# KiCad board FreeDSP_INTEGRA_QUAD_BASIC.kicad_pcb (continued)
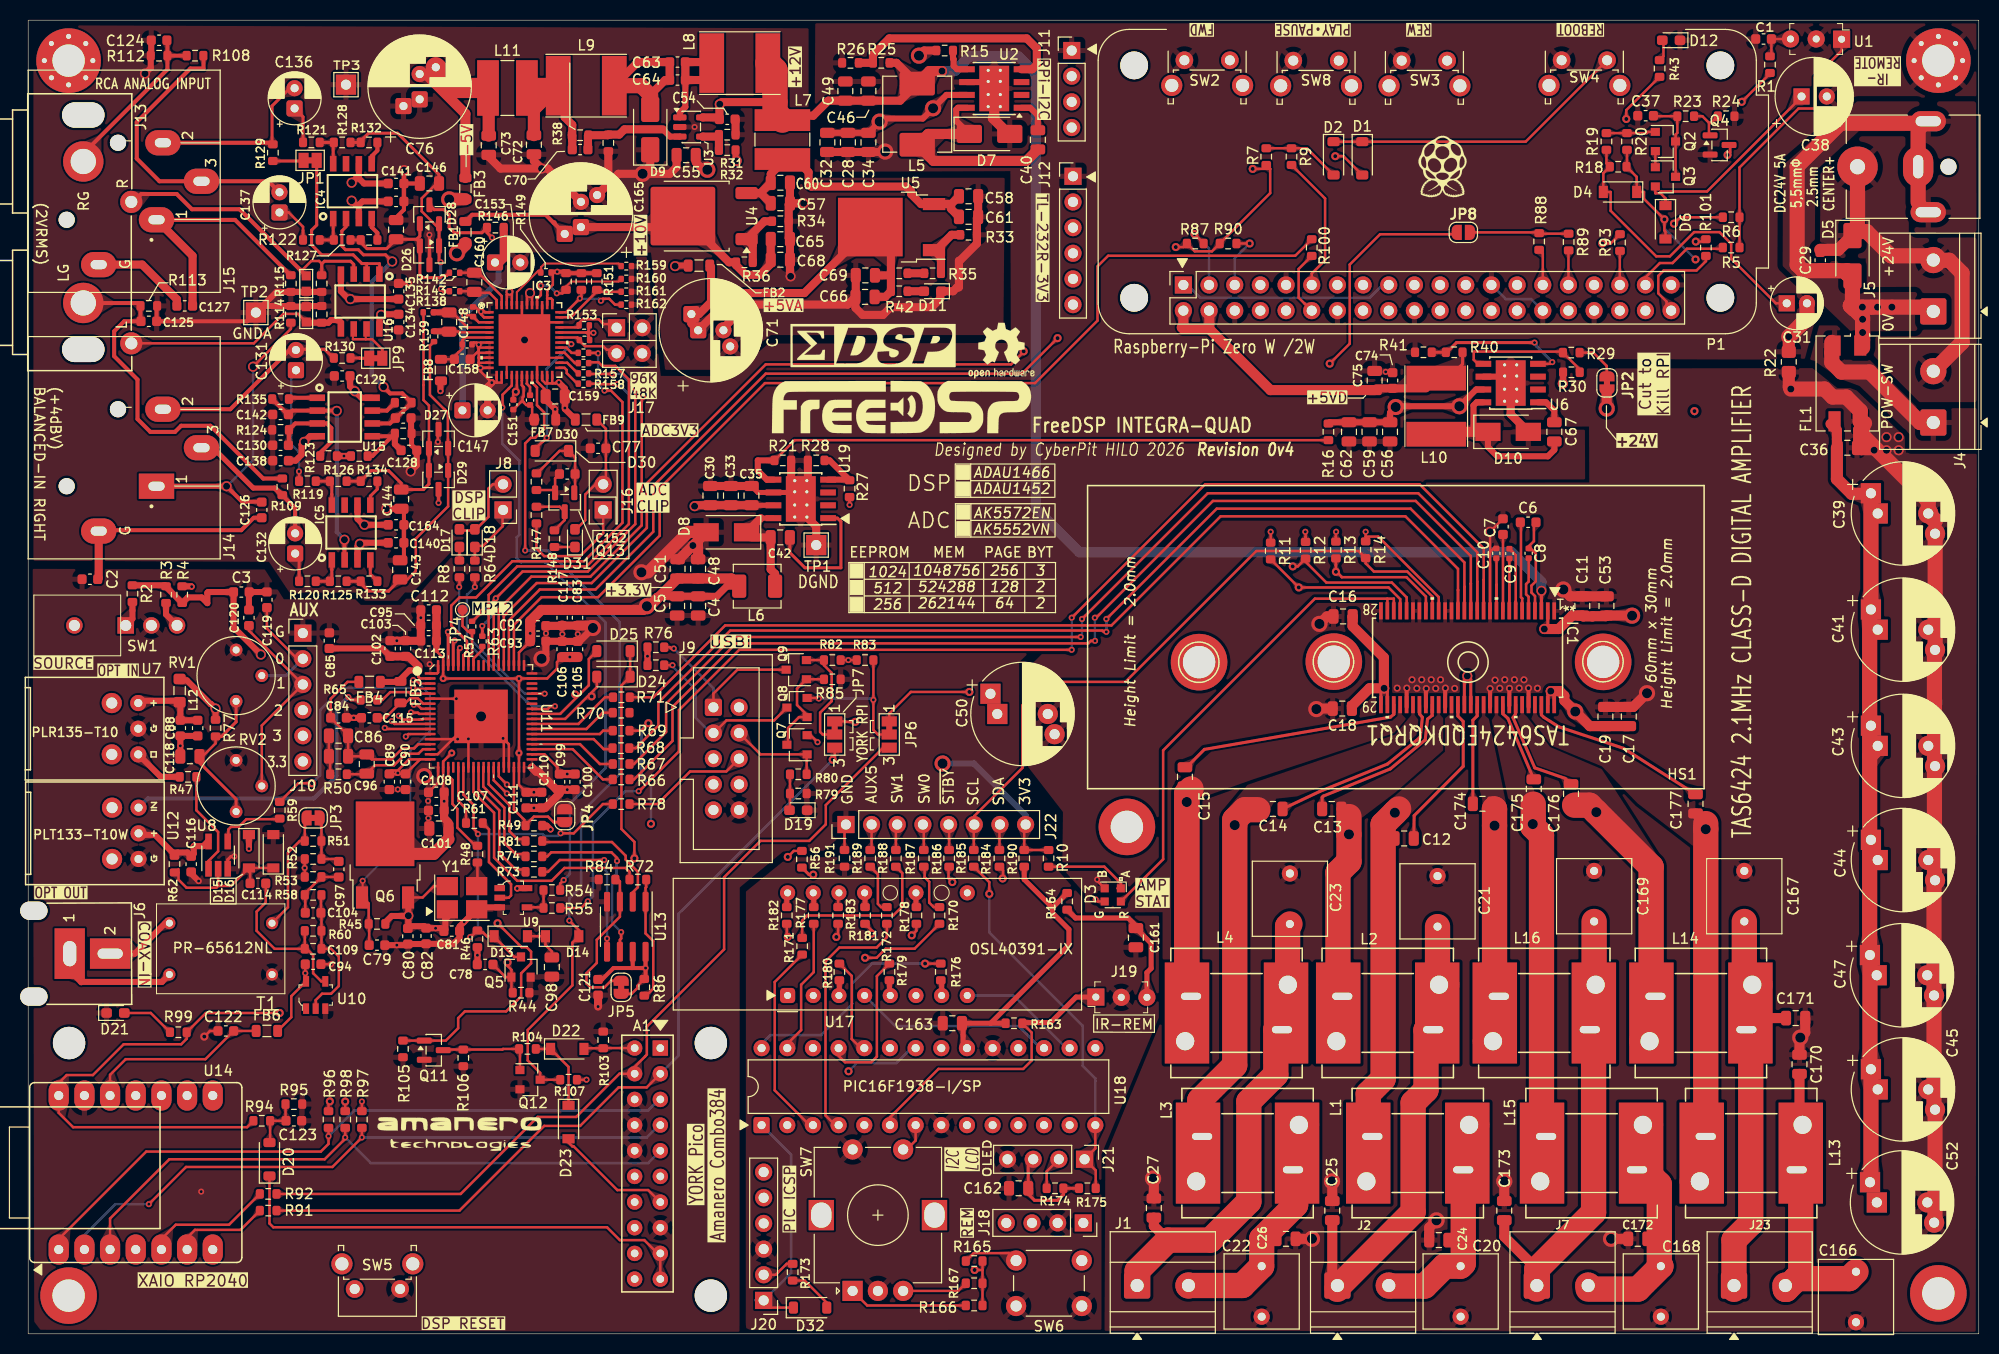
[diagram p0: board, top side]
## Placement (name value [footprint] x y rotation side) (continued)
R25  29.4k  [R_0603_1608Metric]  84.41 125.78 180 top
R26  3.3k  [R_0603_1608Metric]  81.36 125.78 180 top
R27  5.6k  [R_0603_1608Metric]  81.27 83.64 90 top
R28  3.24k  [R_0603_1608Metric]  77.97 86.44 180 top
R29  10k  [R_0603_1608Metric]  152.68 97.1 180 top
R30  3.3k  [R_0603_1608Metric]  152.69 95.16 180 top
R31  680R  [R_0603_1608Metric]  69.17 117.15 0 top
R32  330R  [R_0603_1608Metric]  69.17 118.67 180 top
R33  330R  [R_0603_1608Metric]  93.04 108.76 180 top
R34  1k  [R_0603_1608Metric]  74.43 110.11 180 top
R35  100R  [R_0603_1608Metric]  89.49 104.95 180 top
R36  150R  [R_0603_1608Metric]  70.87 106.04 0 top
R37  10R  [R_0603_1608Metric]  86.19 104.95 0 top
R38  29.4k  [R_0603_1608Metric]  54.61 118.62 0 top
R39  10k  [R_0603_1608Metric]  57.4 117.86 270 top
R40  10k  [R_0603_1608Metric]  141.1 97.14 180 top
R41  3.24k  [R_0603_1608Metric]  138.05 97.14 180 top
R42  3.3k  [R_0603_1608Metric]  86.19 103.17 0 top
R43  3.3k  [R_0603_1608Metric]  161.42 125.22 90 top
R44  1MEG  [R_0603_1608Metric]  48.77 33.76 0 top
R45  1k  [R_0603_1608Metric]  34.52 40.56 0 top
R46  2.2k  [R_0603_1608Metric]  44.45 39.09 270 top
R47  0R  [R_0603_1608Metric]  15.82 55.12 180 top
R48  33R  [R_0603_1608Metric]  44.45 47.47 270 top
R49  1k  [R_0603_1608Metric]  50.04 50.29 180 top
R50  4.3k  [R_0603_1608Metric]  30.71 55.37 0 top
R51  33R  [R_0603_1608Metric]  28.19 48.77 0 top
R52  150R  [R_0603_1608Metric]  28.19 46.99 180 top
R53  100k  [R_0603_1608Metric]  28.19 45.21 180 top
R54  33R  [R_0603_1608Metric]  51.82 43.92 0 top
R55  33R  [R_0603_1608Metric]  51.82 42.14 0 top
R56  33R  [R_0603_1608Metric]  76.56 46.96 90 top
R57  NOP  [R_0402_1005Metric]  43.92 70 270 top  (not fitted)
R58  150R  [R_0603_1608Metric]  28.19 43.43 0 top
R59  47R  [R_0603_1608Metric]  24.89 51.82 270 top
R60  1.2k  [R_0603_1608Metric]  28.19 39.88 180 top
R61  47R  [R_0603_1608Metric]  44.15 50.55 180 top
R62  1k  [R_0603_1608Metric]  14.48 46.48 270 top
R63  NOP  [R_0402_1005Metric]  44.93 68.53 270 top  (not fitted)
R64  2.2k  [R_0603_1608Metric]  44.2 75.69 270 top
R65  47R  [R_0603_1608Metric]  33.72 62.74 180 top
R66  33R  [R_0603_1608Metric]  58.67 54.86 180 top
R67  33R  [R_0603_1608Metric]  58.67 56.39 180 top
R68  33R  [R_0603_1608Metric]  58.65 57.96 180 top
R69  33R  [R_0603_1608Metric]  58.67 59.69 180 top
R70  33R  [R_0603_1608Metric]  58.67 61.47 180 top
R71  33R  [R_0603_1608Metric]  58.7 62.99 180 top
R72  33R  [R_0603_1608Metric]  60.32 44.96 180 top
R73  33R  [R_0603_1608Metric]  50.04 45.72 180 top
R74  33R  [R_0603_1608Metric]  50.04 47.24 180 top
R75  2.2k  [R_0603_1608Metric]  62.1 66.17 180 top
R76  2.2k  [R_0603_1608Metric]  62.1 67.94 0 top
R77  100R  [R_0603_1608Metric]  18.54 59.94 90 top
R78  0R  [R_0603_1608Metric]  58.67 52.43 180 top
R79  10k  [R_0603_1608Metric]  76.2 53.47 180 top
R80  1k  [R_0603_1608Metric]  76.2 55.37 0 top
R81  150R  [R_0603_1608Metric]  50.04 48.77 180 top
R82  10k  [R_0603_1608Metric]  79.57 66.67 0 top
R83  10k  [R_0603_1608Metric]  82.8 66.67 0 top
R84  10k  [R_0603_1608Metric]  57.28 44.96 180 top
R85  10k  [R_0603_1608Metric]  79.57 64.77 180 top
R86  10k  [R_0603_1608Metric]  60.96 34.29 90 top
R87  2.2k  [R_0603_1608Metric]  115.47 107.9 180 top
R88  47R  [R_0603_1608Metric]  149.5 108.1 270 top
R89  NOP  [R_0603_1608Metric]  152.42 108.05 270 top
R90  2.2k  [R_0603_1608Metric]  118.72 107.9 0 top
R91  NOP  [R_0603_1608Metric]  23.75 12.19 0 top  (not fitted)
R92  NOP  [R_0603_1608Metric]  23.75 13.84 0 top  (not fitted)
R93  47R  [R_0603_1608Metric]  157.5 108 90 top
R94  1.8K  [R_0603_1608Metric]  23.11 21.08 180 top
R95  3.3k  [R_0603_1608Metric]  26.29 22.73 0 top
R96  33R  [R_0603_1608Metric]  29.72 21.21 270 top
R97  33R  [R_0603_1608Metric]  33.02 21.21 270 top
R98  33R  [R_0603_1608Metric]  31.37 21.21 270 top
R99  1k  [R_0603_1608Metric]  14.86 29.84 180 top
R100  47R  [R_0603_1608Metric]  127 107.5 90 top
R101  47R  [R_0603_1608Metric]  166 107.5 90 top
R103  10k  [R_0603_1608Metric]  56.9 29.08 270 top
R104  100k  [R_0603_1608Metric]  49.4 28.19 180 top
R105  1MEG  [R_0603_1608Metric]  37.08 28.19 270 top
R106  1MEG  [R_0603_1608Metric]  43.05 27.31 270 top
R107  3.3k  [R_0603_1608Metric]  53.47 25.15 180 top
R108  0R  [R_0603_1608Metric]  16.51 126.49 180 top
R109  0R  [R_0603_1608Metric]  25.15 83.82 90 top
R110  100k  [R_0603_1608Metric]  32.77 86.87 0 top
R111  100k  [R_0603_1608Metric]  37.11 89.1 0 top
R112  10R  [R_0603_1608Metric]  12.95 126.49 180 top
R113  10R  [R_0603_1608Metric]  11.94 101.73 0 top
R114  10R  [R_0603_1608Metric]  25.99 100.89 90 top
R115  10R  [R_0603_1608Metric]  25.99 103.94 270 top
R116  47k  [R_0603_1608Metric]  29.04 100.89 90 top
R117  47k  [R_0603_1608Metric]  29.04 103.94 270 top
R118  100R  [R_0603_1608Metric]  37.11 92.15 180 top
R119  1.1k  [R_0603_1608Metric]  27.63 84.38 0 top
R120  1.1k  [R_0603_1608Metric]  27.63 74.47 0 top
R121  1.1k  [R_0603_1608Metric]  28.02 117.91 0 top
R122  1.1k  [R_0603_1608Metric]  28.02 108.25 0 top
R123  100k  [R_0603_1608Metric]  29.72 86.87 180 top
R124  100k  [R_0603_1608Metric]  24.97 89.46 180 top
R125  510R  [R_0603_1608Metric]  30.68 74.47 180 top
R126  510R  [R_0603_1608Metric]  30.68 84.38 0 top
R127  510R  [R_0603_1608Metric]  31.07 108.25 180 top
R128  510R  [R_0603_1608Metric]  31.07 117.91 0 top
R129  270R  [R_0603_1608Metric]  24.21 116.89 270 top
R130  270R  [R_0603_1608Metric]  31.07 96.57 0 top
R131  33R  [R_0603_1608Metric]  33.73 108.25 0 top
R132  33R  [R_0603_1608Metric]  33.73 117.91 180 top
R133  33R  [R_0603_1608Metric]  33.73 74.47 0 top
R134  33R  [R_0603_1608Metric]  33.73 84.38 180 top
R135  100R  [R_0603_1608Metric]  24.97 92.51 0 top
R138  10R  [R_0402_1005Metric]  39.6 101.09 0 top
R139  10R  [R_0402_1005Metric]  40.16 98.7 90 top
R142  10R  [R_0402_1005Metric]  42.19 105 0 top
R143  10R  [R_0402_1005Metric]  42.19 103.17 0 top
R145  1MEG  [R_0603_1608Metric]  50.29 84.33 270 top
R146  22R  [R_0603_1608Metric]  46.23 109.47 180 top
R147  220R  [R_0603_1608Metric]  50.29 81.03 270 top
R148  220R  [R_0603_1608Metric]  52.07 78.69 270 top
R149  10k  [R_0402_1005Metric]  51.23 105.03 180 top
R150  0R  [R_0603_1608Metric]  53.21 104.14 270 top
R151  NOP  [R_0603_1608Metric]  56.26 104.14 270 top
R152  NOP  [R_0603_1608Metric]  54.74 104.14 270 top
R153  10k  [R_0402_1005Metric]  55.02 99.8 180 top
R154  10k  [R_0402_1005Metric]  55.04 98.35 180 top
R155  47R  [R_0402_1005Metric]  54.94 97.08 0 top
R156  47R  [R_0402_1005Metric]  54.94 96.06 0 top
R157  47R  [R_0402_1005Metric]  54.94 95.05 0 top
R158  47R  [R_0402_1005Metric]  54.94 94.03 0 top
R159  NOP  [R_0402_1005Metric]  59.18 105.66 0 top
R160  10k  [R_0402_1005Metric]  59.18 104.39 0 top
R161  10k  [R_0402_1005Metric]  59.18 103.12 0 top
R162  10k  [R_0402_1005Metric]  59.18 101.85 0 top
R163  22k  [R_0603_1608Metric]  97.54 30.73 0 top
R164  47R  [R_0603_1608Metric]  102.8 42.8 270 top
R165  10k  [R_0603_1608Metric]  93.6 7.2 180 top
R166  10k  [R_0603_1608Metric]  93.6 2.8 180 top
R167  10k  [R_0603_1608Metric]  93.6 5 180 top
R170  33R  [R_0603_1608Metric]  90.17 41.4 90 top
R171  33R  [R_0603_1608Metric]  76.58 38.35 90 top
R172  33R  [R_0603_1608Metric]  84.96 41.4 90 top
R173  10k  [R_0603_1608Metric]  75.64 6.1 90 top
R174  10k  [R_0603_1608Metric]  101.6 14.4 180 top
R175  10k  [R_0603_1608Metric]  104.8 14.4 0 top
R176  75R  [R_0603_1608Metric]  90.3 35.81 90 top
R177  75R  [R_0603_1608Metric]  77.72 41.4 270 top
R178  75R  [R_0603_1608Metric]  87.88 41.4 270 top
R179  75R  [R_0603_1608Metric]  85.22 35.81 90 top
R180  75R  [R_0603_1608Metric]  80.26 35.81 90 top
R181  75R  [R_0603_1608Metric]  82.8 41.4 270 top
R182  75R  [R_0603_1608Metric]  75.06 41.4 270 top
R183  75R  [R_0603_1608Metric]  80.14 41.4 270 top
R184  0R  [R_0603_1608Metric]  96.1 47.05 90 top
R185  0R  [R_0603_1608Metric]  93.56 47.05 90 top
R186  0R  [R_0603_1608Metric]  91.13 47.05 90 top
R187  0R  [R_0603_1608Metric]  88.62 47.05 90 top
R188  0R  [R_0603_1608Metric]  85.85 47.05 90 top
R189  0R  [R_0603_1608Metric]  83.31 47.05 90 top
R190  0R  [R_0603_1608Metric]  98.55 47.05 90 top
R191  0R  [R_0603_1608Metric]  80.77 47.05 90 top
REF***  -  [OSHW-Logo2_7.3x6mm_SilkScreen]  96.3 97.3 0 top
RV1  B10K  [Potentiometer_Trimmer_Bourns_3339P_Horizontal]  20.57 67.68 180 top
RV2  B10K  [Potentiometer_Trimmer_Bourns_3339P_Horizontal]  20.57 56.75 180 top
RV3  SDV1608E5R5C180NPTF  [C0603]  27.51 100.89 90 top
RV4  SDV1608E5R5C180NPTF  [C0603]  27.51 103.94 270 top
SW1  SW_SPDT_MSM  [2MS1T1B4M7QES]  9.65 70.1 270 top
SW2  SW_Push  [SW_Tactile_SPST_Angled_PTS645Vx83-2LFS]  114.4 126.04 0 top
SW3  SW_Push  [SW_Tactile_SPST_Angled_PTS645Vx83-2LFS]  135.9 126 0 top
SW4  SW_Push  [SW_Tactile_SPST_Angled_PTS645Vx83-2LFS]  151.72 126.04 0 top
SW5  DSP_RES  [SW_Tactile_SPST_Angled_PTS645Vx83-2LFS]  36.81 4.43 180 top
SW6  SW_PUSH  [SW_PUSH_6mm_H4.3mm]  104.25 2.75 180 top
SW7  EN11-HSB1AF15  [RotaryEncoder_TT-Ele_EN11-HSB1AF15]  81.57 4.25 90 top
SW8  SW_Push  [SW_Tactile_SPST_Angled_PTS645Vx83-2LFS]  125.18 126 0 top
T1  PE-65612NL  [PE65612NL]  13.97 35.56 0 top
TP1  TestPoint_GND  [TestPoint_THTPad_2.0x2.0mm_Drill1.0mm]  77.97 78.05 180 top
TP2  TestPoint_GNDA  [TestPoint_THTPad_2.0x2.0mm_Drill1.0mm]  22.53 101.07 0 top
TP3  TestPoint_GNDA  [TestPoint_THTPad_2.0x2.0mm_Drill1.0mm]  31.45 123.62 0 top
TP4  TEST_MP12  [TestPoint_Pad_D1.0mm]  42.98 71.65 0 top
U1  GP1UXC41QS  [IR_Receiver_TSOP38238]  179.45 128.14 180 top  (not fitted)
U2  TPS5430DDAR  [TI_SO-PowerPAD-8_ThermalVias]  95.59 123.24 180 top
U3  LM2611AMFX  [SOT-23-5]  65.61 119.43 0 top
U4  LM317AG-TN3-R  [TO-252-2#2]  66.04 110.61 180 top
U5  LM317AG-TN3-R  [TO-252-2]  85.43 109.53 180 top
U6  TPS5430DDAR  [TI_SO-PowerPAD-8_ThermalVias]  146.69 94.09 180 top
U7  -  [PLR135-T10]  10.89 59.88 90 top
U8  74LVC1G86  [SOT-23-5_HandSoldering]  18.8 47.37 90 top
U9  74LVC1G04  [SOT-753]  48.01 43.15 270 top
U10  74LVC1G04M5/TR  [SOT-753]  28.45 33.53 0 top
U11  ADAU1466  [LFCSP-72-1EP_10x10mm_P0.5mm_EP5.3x5.3mmL_HandSolder]  44.81 61.1 0 top
U12  -  [PLT133-T10W]  10.92 49.53 90 top
U13  25AA1024(512)  [SOIC-8_3.9x4.9mm_P1.27mm]  59.18 40.28 270 top
U14  -  [XIAO_RP2040]  10.64 15.96 0 top
U15  OPA1612AIDR  [SOIC127P600X175-8N]  31.32 90.73 0 top
U16  OPA1612AIDR  [SOIC127P600X175-8N]  32.85 102.16 270 top
U17  OSL40391-IX  [LTC-4627Jx]  75.14 33.48 90 top
U18  PIC16F1938-I/SP  [DIP-28_W7.62mm]  72.57 20.65 90 top
U19  TPS5430DDAR  [TI_SO-PowerPAD-8_ThermalVias]  76.45 82.63 180 top
Y1  OT322524.576MJBA4S  [Crystal_SMD_TXC_7M-4pin_3.2x2.5mm_HandSoldering]  42.93 43.15 0 top
Z1  LOGO  [SigmaDSP-LogoSmall]  83.6 97.8 0 top
Z2  LOGO  [AmaneroLogo]  42.67 19.81 0 top
Z3  LOGO  [RasPiLogoSmall]  140.04 115.5 180 top

## Library data of the parts
A1 = -: Description: Amanero or Compatible USB to I2S  20P I/F Board Slot; JLPCB#: HAND
C1-C3 C29 C37 C74 C78 C80 C82 C84 C88 C90 C93 C94 C97 C100 C103 C106 C108 C111 C113-C117 C119-C127 C129 C130 C134 C135 C139-C141 C152 C164 = -: JLPCB#: C14663; ki_fp_filters: C_*
C4 C17 C18 C34-C36 C40 C42 C46 C48 C53 C60-C62 C65-C67 C161 C162 = -: JLPCB#: C28233; ki_fp_filters: C_*
C5 C16 C19 C28 C30 C55-C58 C72 C73 C98 C101 C159 = -: JLPCB#: C440198; ki_fp_filters: C_*
C6 C7 C63 C64 C77 C83 C89 C92 C95 C99 C102 C105 C107 C110 C112 = -: JLPCB#: C15849; ki_fp_filters: C_*
C8-C10 C157 = -: JLPCB#: C52923; ki_fp_filters: C_*
C11-C15 C174-C177 = -: JLPCB#: C377773; ki_fp_filters: C_*
C20-C23 C166-C169 = -: JLPCB#: HAND; ki_fp_filters: C_*
C24-C27 C170-C173 = -: JLPCB#: C76625; ki_fp_filters: C_*
C31 C38 C71 C76 C131 C132 C136 C137 C147 C153 C165 = -: Description: Polarized capacitor, small US symbol; JLPCB#: HAND; ki_fp_filters: CP_*
C32 C33 C59 C68 C69 = -: JLPCB#: C28323; ki_fp_filters: C_*
C39 C41 C43-C45 C47 C50 C52 = -: JLPCB#: HAND; ki_fp_filters: CP_*
C49 C75 C163 = -: Description: for Raspberry-pi SMPS Power Integration; JLPCB#: C45783; ki_fp_filters: C_*
C51 = -: Description: for Negative SMPS Power Integration; JLPCB#: C45783; ki_fp_filters: C_*
C54 C81 = -: JLPCB#: C57112; ki_fp_filters: C_*
C70 C79 = -: ki_fp_filters: C_*
C85 C87 = -: JLPCB#: C96446; ki_fp_filters: C_*
C86 = -: Description: PLL Loop FIlter Snabber Cap; JLPCB#: C76625; ki_fp_filters: C_*
C91 = -: Description: PLL Loop FIlter Snabber Cap; JLPCB#: C1744; ki_fp_filters: C_*
C96 = -: Description: PLL Loop FIlter Cap (C0G will better); JLPCB#: C1716; ki_fp_filters: C_*
C104 = -: Description: Prepared for just in case; ki_fp_filters: C_*
C109 = -: JLPCB#: C46219; ki_fp_filters: C_*
C118 = -: Description: Polarized capacitor, small US symbol; JLPCB#: C440198; ki_fp_filters: CP_*
C128 C133 C138 C142 C158 = -: Description: Polarized capacitor, small US symbol; JLPCB#: C96446; ki_fp_filters: CP_*
C143-C146 = -: Description: C0G or ECHU(FilmCap) Recommended; JLPCB#: C1804; ki_fp_filters: C_*
C148 C160 = -: Description: C0G or ECHU(FilmCap) Recommended; JLPCB#: C1717; ki_fp_filters: C_*
C151 C154 C155 = -: JLPCB#: C307331; ki_fp_filters: C_*
D1 D2 D4 D30 D32 = -: Description: Diode, small symbol, filled shape; JLPCB#: C81598; Sim.Device: D; Sim.Pins: 1=K 2=A; ki_fp_filters: TO-???* *_Diode_* *SingleDiode* D_*
D3 = -: Description: MT19-237/R6GHBHC-B01/2T; JLPCB#: C264517; ki_fp_filters: LED* LED_SMD:* LED_THT:*
D5 = -: Datasheet: http://akizukidenshi.com/download/ds/panjit/SK52_SERIES_141003_REV_04.pdf; Description: For the reverse voltage Protection (Optional); JLPCB#: C22452; ki_fp_filters: D*SMA*
D6 = -: Datasheet: http://www.vishay.com/docs/85660/bat42.pdf; Description: SBD for charging C32; JLPCB#: C8598; ki_fp_filters: D*SOD?123*
D7-D10 = -: Description: Schottky diode, small symbol; JLPCB#: C22452; ki_fp_filters: TO-???* *_Diode_* *SingleDiode* D_*
D11 D17 = -: Description: Remove this if you use LED extension header; JLPCB#: C12624; ki_fp_filters: CP* SM*
D12 = -: Description: Remove this if you use LED extension header; JLPCB#: C2297; ki_fp_filters: CP* SM*
D13 D14 = -: Description: Si Switching Diode; JLPCB#: C8598; ki_fp_filters: D*SOD?123*
D15 = -: Datasheet: http://www.vishay.com/docs/85660/bat42.pdf; Description: SBDfor Level Clampling; JLPCB#: C8598; ki_fp_filters: D*SOD?123*
D16 = -: Datasheet: http://www.vishay.com/docs/85660/bat42.pdf; Description: SBD for Level Clampling; JLPCB#: C8598; ki_fp_filters: D*SOD?123*
D18 D31 = -: Description: Remove this if you use LED extension header; JLPCB#: C2286; ki_fp_filters: CP* SM*
D19 = -: Description: Indicator for USBi is Active; JLPCB#: C2296; ki_fp_filters: CP* SM*
D20 D22-D25 = -: Description: Si Switching Diode; JLPCB#: C81598; ki_fp_filters: D*SOD?123*
D21 = -: Description: Just for check the PC VBUS status; JLPCB#: C2290; ki_fp_filters: CP* SM*
D26 D27 = -: Datasheet: http://www.diodes.com/_files/datasheets/ds11005.pdf; Description: schottky barrier diode; JLPCB#: C7502690; ki_fp_filters: SOT?23*
D28 D29 = -: Datasheet: http://www.diodes.com/_files/datasheets/ds11005.pdf; Description: dual schottky barrier diode, common cathode; JLPCB#: C37704; ki_fp_filters: SOT?23*
FB1 FB2 FB8 = -: Datasheet: https://www.murata.com/en-us/products/productdata/8796738650142/ENFA0003.pdf; Description: FERRITE BEAD 600 OHM 0603 1LN; Digi-Key_PN: 490-1014-1-ND; MPN: BLM18AG601SN1D; Category: Filters; Family: Ferrite Beads and Chips; DK_Datasheet_Link: https://www.murata.com/en-us/products/productdata/8796738650142/ENFA0003.pdf; DK_Detail_Page: /product-detail/en/murata-electronics-north-america/BLM18AG601SN1D/490-1014-1-ND/584462; Manufacturer: Murata Electronics North America; Status: Active; JLPCB#: C1017
FB3 = -: Datasheet: https://www.murata.com/en-us/products/productdata/8796738650142/ENFA0003.pdf; Description: Bead for Analog -VEE rail; Digi-Key_PN: 490-1014-1-ND; MPN: BLM18AG601SN1D; Category: Filters; Family: Ferrite Beads and Chips; DK_Datasheet_Link: https://www.murata.com/en-us/products/productdata/8796738650142/ENFA0003.pdf; DK_Detail_Page: /product-detail/en/murata-electronics-north-america/BLM18AG601SN1D/490-1014-1-ND/584462; Manufacturer: Murata Electronics North America; Status: Active; JLPCB#: C1017
FB4 FB6 = -: Datasheet: https://www.murata.com/en-us/products/productdata/8796738650142/ENFA0003.pdf; Description: Bead for PLL Power Rail; Digi-Key_PN: 490-1014-1-ND; MPN: BLM18AG601SN1D; Category: Filters; Family: Ferrite Beads and Chips; DK_Datasheet_Link: https://www.murata.com/en-us/products/productdata/8796738650142/ENFA0003.pdf; DK_Detail_Page: /product-detail/en/murata-electronics-north-america/BLM18AG601SN1D/490-1014-1-ND/584462; Manufacturer: Murata Electronics North America; Status: Active; JLPCB#: C1017
FB5 = -: Datasheet: https://www.murata.com/en-us/products/productdata/8796738650142/ENFA0003.pdf; Description: Bead for Analog Core; Digi-Key_PN: 490-1014-1-ND; MPN: BLM18AG601SN1D; Category: Filters; Family: Ferrite Beads and Chips; DK_Datasheet_Link: https://www.murata.com/en-us/products/productdata/8796738650142/ENFA0003.pdf; DK_Detail_Page: /product-detail/en/murata-electronics-north-america/BLM18AG601SN1D/490-1014-1-ND/584462; Manufacturer: Murata Electronics North America; Status: Active; JLPCB#: C1017
FB7 FB9 = -: Datasheet: https://www.murata.com/en-us/products/productdata/8796738977822/ENFA0005.pdf; Description: Bead for connecting AnalogGND and DigitalGND; Digi-Key_PN: 490-5988-1-ND; MPN: BLM21PG331SN1D; Category: Filters; Family: Ferrite Beads and Chips; DK_Datasheet_Link: https://www.murata.com/en-us/products/productdata/8796738977822/ENFA0005.pdf; DK_Detail_Page: /product-detail/en/murata-electronics-north-america/BLM21PG331SN1D/490-5988-1-ND/3845188; Manufacturer: Murata Electronics North America; Status: Active; JLPCB#: C1017
FL1 = -: Description: Connon mode choke 700ohms max 5A; JLPCB#: C2981417
H1-H6 = -: Description: Mounting Hole without connection; JLPCB#: -; ki_fp_filters: MountingHole*
H7 = -: JLPCB#: -; ki_fp_filters: MountingHole*Pad*
HS1 = -: Datasheet: W60mm x D30mm x H30mm; Description: Akiduki Heat Sink 150Yen; JLPCB#: HAND; ki_fp_filters: Heatsink_*
IC1 = -: Datasheet: TAS6424QDKQQ1; JLPCB#: C4991409; ki_fp_filters: DKQ56_TEX DKQ56_TEX-M DKQ56_TEX-L
IC3 = -: Datasheet: AK5554VN; JLPCB#: C2651665; ki_fp_filters: QFN48_AKM QFN48_AKM-M QFN48_AKM-L
IC4 IC5 = -: JLPCB#: C86715
J1 J2 J4 J5 J7 J23 = -: JLPCB#: HAND; ki_fp_filters: TerminalBlock*:*
J3 = -: Description: 2.5mm Center Positive 5.5mm Sleeve  min. 5A; JLPCB#: HAND; ki_fp_filters: BarrelJack*
J6 = -: Description: RCA-pin Input Connector(Yellow)CUI RCJ-044; JLPCB#: HAND; ki_fp_filters: *BNC* *SMA* *SMB* *SMC* *Cinch* *LEMO* *UMRF* *MCX* *U.FL*
J8 = -: Description: for the Extended LED Connection; JLPCB#: HAND; ki_fp_filters: Connector*:*_1x??_*
J9 = -: Description: Angled 10pin IDC header for USBi; JLPCB#: HAND; ki_fp_filters: Pin_Header_Straight_2X05 Pin_Header_Angled_2X05 Socket_Strip_Straight_2X05 Socket_Strip_Angled_2X05
J10 = -: Description: Generic connector, single row, 01x06, script generated (kicad-library-utils/schlib/autogen/connector/); JLPCB#: HAND; ki_fp_filters: Connector*:*_1x??_*
J11 = -: Description: Optional I2C OLED Display Connection for Raspberry-pi; JLPCB#: NOP; ki_fp_filters: Connector*:*_1x??_*
J12 = -: Description: Optional TTL-232R-3V3 Serial Cable Header for Raspberry-pi; JLPCB#: HAND; ki_fp_filters: Connector*:*_1x??_*
J13 = -: Description: coaxial connector (BNC, SMA, SMB, SMC, Cinch/RCA, LEMO, ...); JLPCB#: HAND; ki_fp_filters: *BNC* *SMA* *SMB* *SMC* *Cinch* *LEMO*
J14 J15 = -: Description: XLR (Male or Female) and Audio Jack (Mono / TS) Combo Connector, Discrete Ground Pin; JLPCB#: HAND; ki_fp_filters: Jack*XLR*6.35mm*
J16 = -: Description: Generic connector, single row, 01x02, script generated (kicad-library-utils/schlib/autogen/connector/); JLPCB#: HAND; ki_fp_filters: Connector*:*_1x??_*
J17 = -: Description: Generic connector, double row, 02x02, odd/even pin numbering scheme (row 1 odd numbers, row 2 even numbers), script generated (kicad-library-utils/schlib/autogen/connector/); JLPCB#: HAND; ki_fp_filters: Connector*:*_2x??_*
J18 = -: JLPCB#: NOP; ki_fp_filters: Connector*:*_1x??_*
J19 = -: Datasheet: Expecting Someone Developes this IR-Remote Software; Description: IR-EYE; JLPCB#: NOP; ki_fp_filters: Connector*:*_1x??_*
J20 J21 = -: JLPCB#: HAND; ki_fp_filters: Connector*:*_1x??_*
J22 = -: Description: Generic connector, single row, 01x08, script generated (kicad-library-utils/schlib/autogen/connector/); JLPCB#: HAND; ki_fp_filters: Connector*:*_1x??_*
JP1 JP5 JP9 = -: Description: Jumper, normally closed; JLPCB#: -
JP2 = -: JLPCB#: -; ki_fp_filters: SolderJumper*Bridged*
JP3 = -: Description: Jumper, 2-pole, small symbol, bridged; JLPCB#: -; ki_fp_filters: Jumper* TestPoint*2Pads* TestPoint*Bridge*
JP4 JP8 = -: Description: Jumper, 2-pole, small symbol, open; JLPCB#: -; ki_fp_filters: Jumper* TestPoint*2Pads* TestPoint*Bridge*
JP6 JP7 = -: JLPCB#: -; ki_fp_filters: SolderJumper*Bridged12*
L1 L13 = -: Datasheet: http://akizukidenshi.com/download/ds/sagamielec/08D-AMP_7G.pdf; Description: FIXED POWER METAL ARROY IND 10uH 12.6x13.5mm SMD; Digi-Key_PN: 811-2058-ND; MPN: 13R106C; Category: Inductors, Coils, Chokes; Family: Fixed Inductors; DK_Datasheet_Link: https://www.murata-ps.com/data/magnetics/kmp_1300r.pdf; DK_Detail_Page: /product-detail/en/murata-power-solutions-inc/13R106C/811-2058-ND/1998245; Manufacturer: Murata Power Solutions Inc.; Status: Active; JLPCB#: C526017
L2 L14 = -: Datasheet: http://akizukidenshi.com/download/ds/sagamielec/08D-AMP_7G.pdf; Description: FIXED POWER METAL ARROY IND 10uH 12.6x13.5mm SMD; Digi-Key_PN: 811-2058-ND; MPN: 13R106C; Category: Inductors, Coils, Chokes 10uH 7.5A; Family: Fixed Inductors; DK_Datasheet_Link: https://wmsc.lcsc.com/wmsc/upload/file/pdf/v2/lcsc/2208261700_TAI-TECH-TMPC1004HV-100MG-D_C5139904.pdf; DK_Detail_Page: /product-detail/en/murata-power-solutions-inc/13R106C/811-2058-ND/1998245; Manufacturer: Murata Power Solutions Inc.; Status: Active; JLPCB#: C526017
L3 L4 L15 L16 = -: Datasheet: https://wmsc.lcsc.com/wmsc/upload/file/pdf/v2/lcsc/2208261700_TAI-TECH-TMPC1004HV-100MG-D_C5139904.pdf; Description: FIXED POWER METAL ARROY IND 10uH 12.6x13.5mm SMD; MPN: 13R106C; Category: Inductors, Coils, Chokes 10uH 7.5A; Family: Fixed Inductors; DK_Datasheet_Link: https://www.murata-ps.com/data/magnetics/kmp_1300r.pdf; DK_Detail_Page: /product-detail/en/murata-power-solutions-inc/13R106C/811-2058-ND/1998245; Manufacturer: Murata Power Solutions Inc.; Status: Active; JLPCB#: C526017
L5 = -: Description: Metal-Alloy Power Inductor Rated 2.8A 7.1x6.6mm; JLPCB#: C149585
L6 = -: Description: 105mΩ 2.8A 3A 4.7uH Molded Inductor ±20% SMD,4.4x4.2mm Power Inductors ROHS; JLPCB#: C207830
L7 L11 = -: Description: Power Inductor 6mm x 6mm; JLPCB#: C60633
L8 = -: Datasheet: 6mm x 6mm; Description: Metal-Alloy Power Inductor; JLPCB#: C96944
L9 = -: Description: Metal-Alloy Power Inductor; JLPCB#: C128694
L10 = -: Description: Metal-Alloy Power Inductor Rated 3A 7x6.6mm; JLPCB#: C149586
L12 = -: Datasheet: https://www.murata-ps.com/data/magnetics/kmp_8200c.pdf; Description: FIXED IND 22UH 5MA 1.1 OHM; Digi-Key_PN: 811-2477-1-ND; MPN: 82473C; Category: Inductors, Coils, Chokes; Family: Fixed Inductors; DK_Datasheet_Link: https://www.murata-ps.com/data/magnetics/kmp_8200c.pdf; DK_Detail_Page: /product-detail/en/murata-power-solutions-inc/82473C/811-2477-1-ND/3178548; Manufacturer: Sunlord; Status: Active; JLPCB#: C32375
LOGO1 Z1-Z3 = -: JLPCB#: -
MH1 = -: Description: Mount-hole for Chassis GND; JLPCB#: -; ki_fp_filters: MountingHole*Pad*
P1 = -: Datasheet: Header Pin Socket 2x20 for Raspberry-pi Zero 2W; Description: for Rapberry-pi Slot; JLPCB#: HAND; ki_fp_filters: Connector*:*_2x??_*
Q2 Q3 = -: Description: PNP transistor, base/emitter/collector; JLPCB#: C8326
Q4 Q13 = -: Datasheet: https://www.onsemi.com/pub/Collateral/NDS7002A-D.PDF; Description: MOSFET N-CH 60V 115MA SOT-23; Digi-Key_PN: 2N7002NCT-ND; Category: Discrete Semiconductor Products; Family: Transistors - FETs, MOSFETs - Single; DK_Datasheet_Link: https://www.onsemi.com/pub/Collateral/NDS7002A-D.PDF; DK_Detail_Page: /product-detail/en/on-semiconductor/2N7002/2N7002NCT-ND/244664; Manufacturer: ON Semiconductor; Status: Active; JLPCB#: C8545
Q5 Q8 Q9 Q12 = -: Datasheet: https://www.fairchildsemi.com/datasheets/2N/2N7002.pdf; Description: N-CHANNEL ENHANCEMENT MODE MOSFET; JLPCB#: C8545; ki_fp_filters: SOT?23*
Q6 = -: Description: Transistor PNP (general); JLPCB#: C138783
Q7 = -: Datasheet: http://docs-emea.rs-online.com/webdocs/104e/0900766b8104e4f0.pdf; Description: P-CHANNEL ENHANCEMENT MODE MOSFET; Height: 1; Manufacturer_Name: Diodes Inc.; Manufacturer_Part_Number: DMG3415U-7; Mouser Part Number: 621-DMG3415U-7; Mouser Price/Stock: https://www.mouser.com/Search/Refine.aspx?Keyword=621-DMG3415U-7; RS Part Number: 7514095P; RS Price/Stock: http://uk.rs-online.com/web/p/products/7514095P; Allied_Number: 70438036; Allied Price/Stock: http://www.alliedelec.com/diodes-inc-dmg3415u-7/70438036/; JLPCB#: C15127; ki_fp_filters: SOT?23*
Q11 = -: Datasheet: http://www.aosmd.com/pdfs/datasheet/AO3400A.pdf; Description: NMOS FET SOT-23; JLPCB#: C20917; ki_fp_filters: SOT?23*
R1 R9 R59 R61 R65 R88 R93 R100 R101 R164 = -: JLPCB#: C23182; ki_fp_filters: R_*
R2 R50 = -: JLPCB#: C23159; ki_fp_filters: R_*
R3 R119-R122 = -: JLPCB#: C22764; ki_fp_filters: R_*
R4 R8 R13 R14 R46 R64 R75 R76 R87 R90 = -: JLPCB#: C4190; ki_fp_filters: R_*
R5 R91 R92 R151 R152 R159 = -: ki_fp_filters: R_*
R6 = -: Description: Selectable  Exclusive Mount Jumper R; JLPCB#: C23182; ki_fp_filters: R_*
R7 R15 R24 R29 R40 R79 R82-R86 R103 R165-R167 R173-R175 = -: JLPCB#: C25804; ki_fp_filters: R_*
R10 R32 R33 = -: JLPCB#: C23138; ki_fp_filters: R_*
R11 R34 R45 R49 R62 R80 R99 = -: JLPCB#: C21190; ki_fp_filters: R_*
R12 R21 R26 R30 R42 R43 R95 R107 = -: JLPCB#: C22978; ki_fp_filters: R_*
R16 = -: JLPCB#: C4216; ki_fp_filters: R_*
R18 = -: JLPCB#: C23178; ki_fp_filters: R_*
R19 R53 R104 R110 R111 R123 R124 = -: JLPCB#: C25803; ki_fp_filters: R_*
R20 R44 R105 R106 = -: JLPCB#: C22935; ki_fp_filters: R_*
R22 = -: JLPCB#: C17477; ki_fp_filters: R_*
R23 R163 = -: JLPCB#: C31850; ki_fp_filters: R_*
R25 = -: JLPCB#: C22974; ki_fp_filters: R_*
R27 = -: JLPCB#: C23189; ki_fp_filters: R_*
R28 R41 = -: JLPCB#: C22994; ki_fp_filters: R_*
R31 = -: JLPCB#: C23228; ki_fp_filters: R_*
R35 R77 = -: JLPCB#: C22775; ki_fp_filters: R_*
R36 R52 R58 R81 = -: JLPCB#: C22808; ki_fp_filters: R_*
R37 = -: JLPCB#: C22859; ki_fp_filters: R_*
R38 = -: Description: Resistor; JLPCB#: C22974; ki_fp_filters: R_*
R39 = -: Description: Resistor; JLPCB#: C25804; ki_fp_filters: R_*
R47 = -: Description: Prepared for Damping Control; JLPCB#: C21189; ki_fp_filters: R_*
R48 R51 R54-R56 R66-R74 R96-R98 R170-R172 = -: JLPCB#: C23140; ki_fp_filters: R_*
R57 R63 = -: Description: Resistor; ki_fp_filters: R_*
R60 = -: JLPCB#: C22765; ki_fp_filters: R_*
R78 R108 R109 R150 R184-R191 = -: JLPCB#: C21189; ki_fp_filters: R_*
R89 = -: Description: Selectable  Exclusive Mount Jumper for RESET by RPI feature; ki_fp_filters: R_*
R94 = -: JLPCB#: C4177; ki_fp_filters: R_*
R112-R115 = -: Description: Resistor; JLPCB#: C22859; ki_fp_filters: R_*
R116 R117 = -: Description: Resistor; JLPCB#: C25819; ki_fp_filters: R_*
R118 R135 = -: Description: Resistor; JLPCB#: C22775; ki_fp_filters: R_*
R125-R128 = -: JLPCB#: C23193; ki_fp_filters: R_*
R129 R130 = -: JLPCB#: C22966; ki_fp_filters: R_*
R131-R134 = -: Description: Resistor; JLPCB#: C23140; ki_fp_filters: R_*
R138 R139 R142 R143 = -: Description: Resistor; JLPCB#: C25077; ki_fp_filters: R_*
R145 = -: Description: Resistor; JLPCB#: C22935; ki_fp_filters: R_*
R146 = -: Description: Resistor; JLPCB#: C23345; ki_fp_filters: R_*
R147 R148 = -: Description: Resistor; JLPCB#: C22962; ki_fp_filters: R_*
R149 R153 R154 R160-R162 = -: JLPCB#: C25744; ki_fp_filters: R_*
R155-R158 = -: JLPCB#: C25118; ki_fp_filters: R_*
R176-R179 R181-R183 = -: JLPCB#: C4275; ki_fp_filters: R_*
R180 = -: Datasheet: 10R; JLPCB#: C4275; ki_fp_filters: R_*
RV1 RV2 = -: Description: Potentiometer for AUX Voltage Control; JLPCB#: HAND
RV3 = -: Description: Voltage dependent resistor 0603 12V; Sim.Name: kicad_builtin_varistor; Sim.Device: SUBCKT; Sim.Pins: 1=A 2=B; Sim.Params: threshold=1k; JLPCB#: C98320; ki_fp_filters: RV_* Varistor*
RV4 = -: Description: Voltage dependent resistor; Sim.Name: kicad_builtin_varistor; Sim.Device: SUBCKT; Sim.Pins: 1=A 2=B; Sim.Params: threshold=1k; JLPCB#: C98320; ki_fp_filters: RV_* Varistor*
SW1 = -: JLPCB#: HAND
SW2-SW4 SW6 SW8 = -: Description: Push button switch, generic, two pins; JLPCB#: HAND
SW5 = -: Description: for manual reset button for DSP; JLPCB#: HAND
SW7 = -: JLPCB#: HAND; ki_fp_filters: RotaryEncoder*
T1 = -: Datasheet: https://componentsearchengine.com/Datasheets/1/PE-65612NL.pdf; Description: S/PDIF Transformer THT Digital-Audio 2500uH 1-Port; Height: 6.6; Manufacturer_Name: Pulse; Arrow Price/Stock: https://www.arrow.com/en/products/pe-65612nl/pulse-electronics-corporation; Mouser Part Number: 673-PE-65612NL; Mouser Price/Stock: https://www.mouser.co.uk/ProductDetail/Pulse-Electronics/PE-65612NL?qs=0Ba7fqpihnjaWgPSZtGigw%3D%3D; JLPCB#: HAND
TP1 = -: Description: TP for Digital Measurement; JLPCB#: -; ki_fp_filters: Pin* Test*
TP2 TP3 = -: Description: TP for Analog Measurement and  Chassis GND Connection; JLPCB#: -; ki_fp_filters: Pin* Test*
TP4 = -: Description: point; JLPCB#: -
U1 = -: Datasheet: (IR-Eye for RPI) http://www.vishay.com/docs/82491/tsop382.pdf; Description: Optional:  IR REMOTE SENSOR Vishay TSOP38238 38.0KHZ 45M; Digi-Key_PN: 751-1227-ND; MPN: TSOP38238; Category: Sensors, Transducers; Family: Optical Sensors - Photo Detectors - Remote Receiver; DK_Datasheet_Link: http://www.vishay.com/docs/82491/tsop382.pdf; DK_Detail_Page: /product-detail/en/vishay-semiconductor-opto-division/TSOP38238/751-1227-ND/1681362; Manufacturer: Vishay Semiconductor Opto Division; Status: Active; JLPCB#: HAND
U2 U6 U19 = -: Datasheet: http://www.ti.com/lit/ds/symlink/tps5430.pdf; Description: SMPS for digital part; JLPCB#: C9864; ki_fp_filters: TI*SO*PowerPAD*ThermalVias*
U3 = -: Datasheet: https://www.ti.com/lit/ds/symlink/lm2611.pdf; Description: Negativer 3MHz SMPS; JLPCB#: C2072505; ki_fp_filters: SOT?23*
U4 U5 = -: Datasheet: https://datasheet.lcsc.com/lcsc/2304140030_UTC-Unisonic-Tech-LM317AG-TN3-R_C75510.pdf; Description: Voltage Regurator for Analog; JLPCB#: C77880; ki_fp_filters: TO?252*
U7 = -: Description: Optical S/PDIF RX (max. 16Mbps); JLPCB#: HAND; ki_fp_filters: OPT SPDIF RX
U8 = -: Datasheet: http://www.ti.com/lit/sg/scyt129e/scyt129e.pdf; Description: EXOR for Maerge S/PDIF Signals; JLPCB#: C73458; ki_fp_filters: SOT* SG-*
